# EAGLE board Mk4 Final a Panel score 2x5 (EAGLE 9.0.1), part 15 of 29
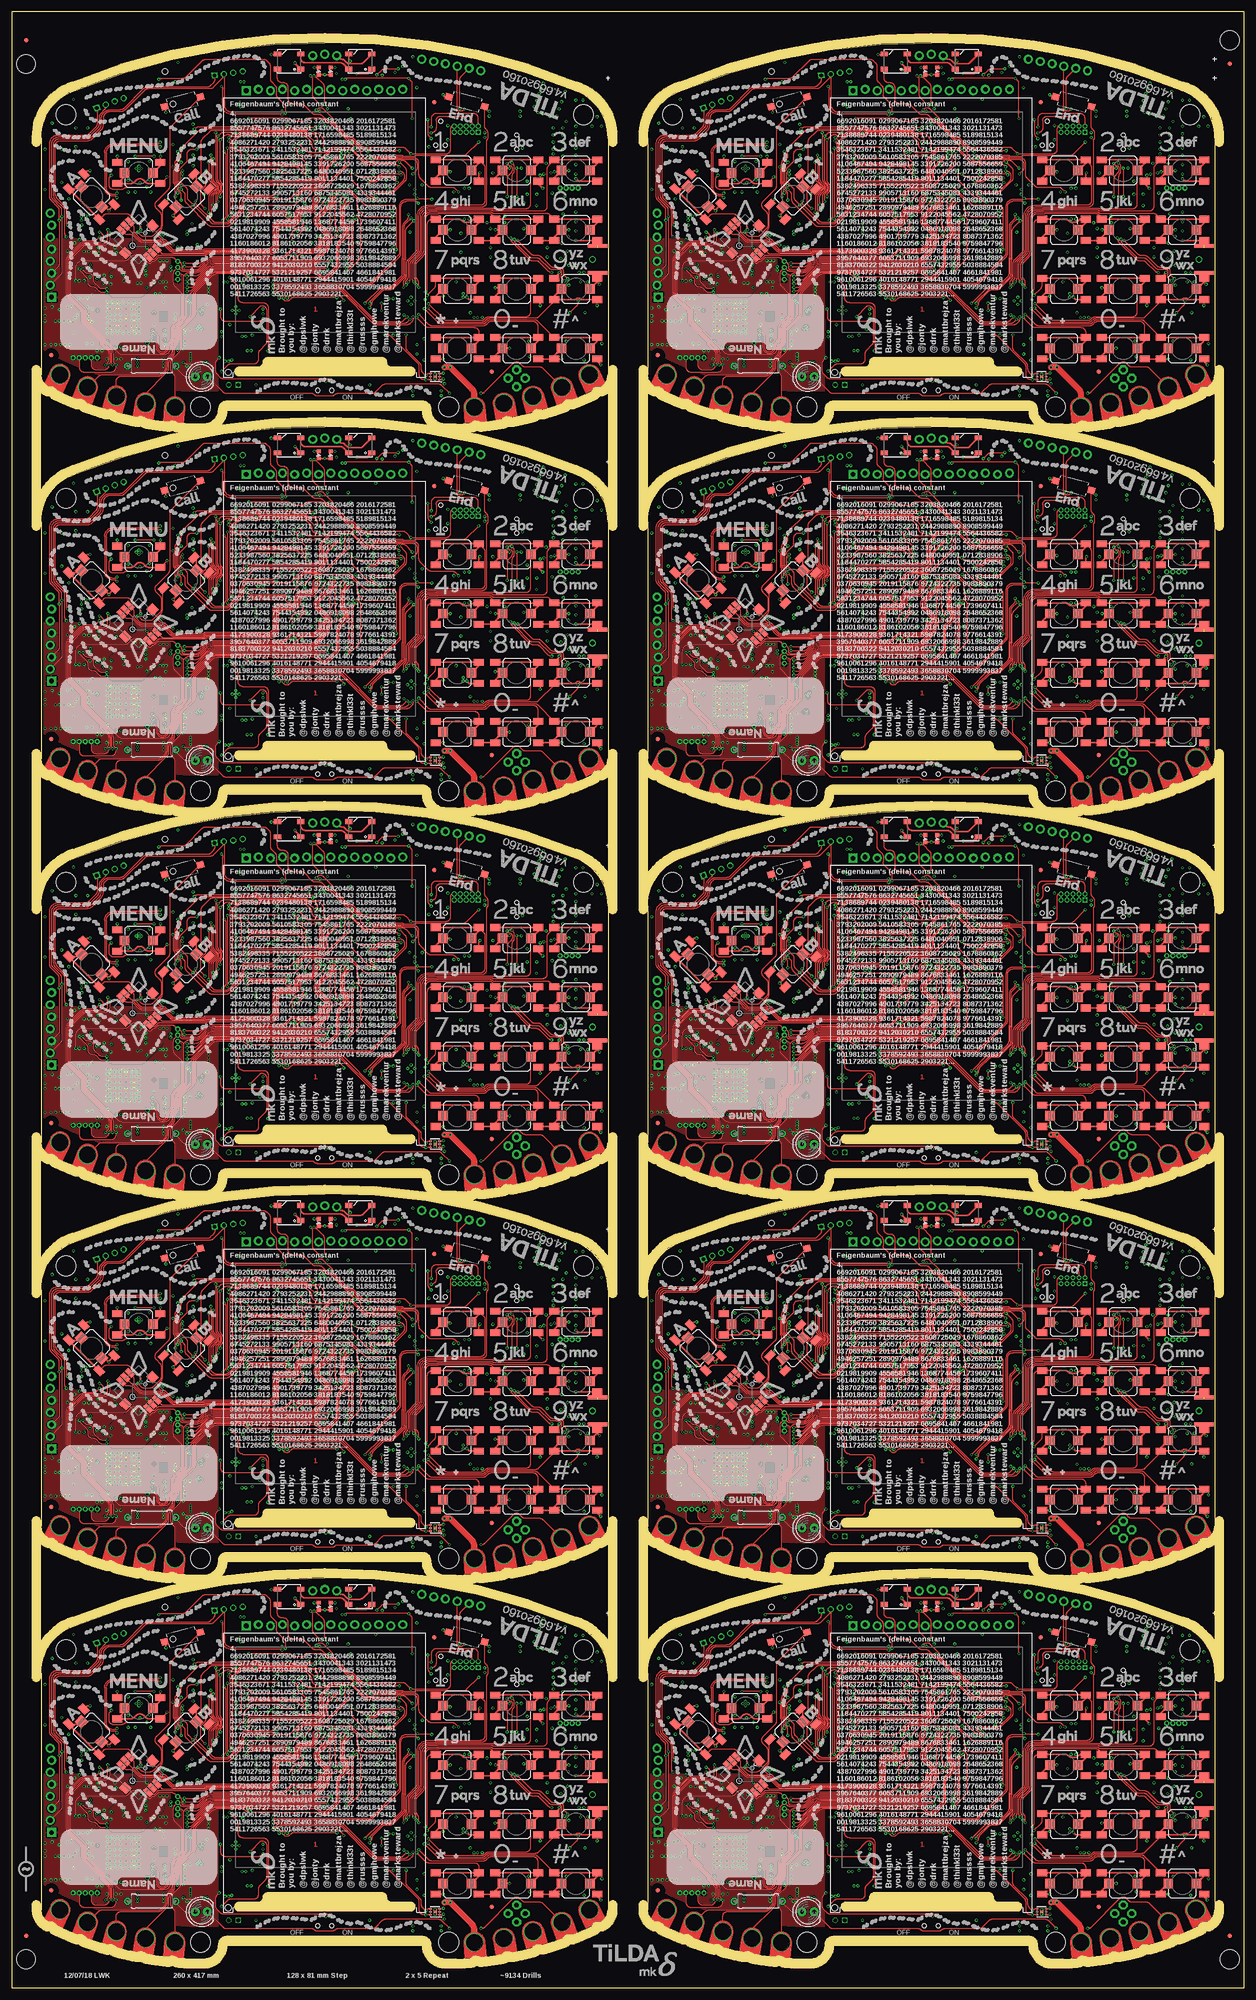
[diagram p0: board, top side]
## Tracks (layer width: path | path; a pad name or v marks a point on that pad's centre or on a via) (continued)
GND5  (via drill 0.3)  (1 unrouted) (continued)
  pour GND@3 (isolate 0.254, rank 6): 134.2,230.5 134.2,177 arc31 166,168 168.7,168 arc90 171.5,170.8 arc-90 173.5,172.8 214.5,172.8 arc-90 216.5,170.8 arc90 219.3,168 222,168 arc31 253.8,177 253.8,200.5 247.5,200.5 247.5,230.5 253.8,230.5 arc64 247.25,238.25 arc24 194,248.5 arc24 140.75,238.25 arc55
  pour Bottom (rank 6): 201.25,204.9 201.25,206.25 201,206.5 191,206.5 190.75,206.25 190.75,204.9
  pour Bottom (isolate 0.254, rank 6): 134.2,230.5 134.2,184 arc9 145,179 145,191 147,191 147,197 145,197 145,199 arc90 144,200 143,200 arc-90 142,201 142,221.71 arc-90 154.79,234.5 162.5,234.5 166,238 224.5,237.5 arc-90 227,235 227,200.5 238.09,200.5 arc-45 238.79,200.21 241.21,197.79 arc45 241.91,197.5 253.8,197.5 253.8,200.5 247.5,200.5 247.5,230.5 253.8,230.5 arc64 247.25,238.25 arc24 194,248.5 arc24 140.75,238.25 arc55
  pour Bottom (rank 2, no thermals): 235.5,201 237,201 237,198.5 236.41,198.5 arc45 235.71,198.21 235.29,197.79 arc45 235,197.09 235,195 arc-90 234,194 223.5,194 arc-90 222.5,195 arc-90 223.5,196 231.75,196 arc90 232.75,197 232.75,197.09 arc-45 233.04,197.79 233.71,198.46 arc-45 234.41,198.75 234.59,198.75 arc45 235.29,199.04 235.5,199.25
  pour Bottom (no thermals): 185.5,207.5 185.5,206.2 185.3,206 185.2,206 185,206.2 185,207.25 184.5,207.75 184.5,209.3 184.7,209.5 185.05,209.5 185.25,209.3 185.25,207.75
  pour Bottom: 157.55,216.95 157.55,222.95 arc90 156.55,223.95 153.05,223.95 arc90 152.05,222.95 152.05,216.95 arc90 153.05,215.95 156.55,215.95 arc90
  pour Bottom (no thermals): 171.4,195 171.4,196.1 171.2,196.3 171.2,197.05 171,197.25 169.75,197.25 169.25,196.75 169.25,195.25 169.5,195
  pour Bottom (no thermals): 165.9,182.8 165.9,180.3 arc-90 165.4,179.8 164.45,179.8 arc-90 163.95,180.3 163.95,187.65 arc-90 164.45,188.15 165.55,188.15 arc-90 166.05,187.65 166.05,184.1 arc90 166.55,183.6 167.8,183.6 167.85,183.55 167.85,182.9 167.75,182.8
  pour Top (rank 6): 134.2,207 134.2,184 arc34 171,175 171.5,175 171.5,207
GND6  (via drill 0.3)  (1 unrouted)
  Top 0.15: IC124.3 90.3,259.65 90.25,259.6 IC124.2 | v89.3,258.5 IC124.PAD v89.3,259.5
  Top 0.2: 90.3,259.65 90.95,259.65 v91.05,259.75
  Top 0.3: S133.1 101.95,275.95 S133.A1 | S129.A1 89.45,275.95 S129.1 v91,276 | S130.A1 89.45,263 89.7,262.75 v91,262.75 S130.1 | S138.1 114.45,263.45 S138.A1 | S137.1 123.55,279.05 S137.A1 | 114.45,300.5 114.45,300.95 S135.1 v117.5,302.5 | 114.45,300.5 S135.A1 | S131.A1 101.95,300.95 S131.1 104,303 v105,303 | S127.A1 89.45,300.95 S127.1 92.25,302.5 v92.5,302.25 | S128.A1 89.45,288.45 S128.1 v92.5,290 | 101.95,288 101.95,288.45 S132.1 v102.05,290 | 101.95,288 S132.A1 | S127.A2 98.55,301.8 v98.75,302 | 114.2,300.25 114.45,300.5 | S136.A2 v119,287.75 | v117.5,290 S136.1 114.45,288.45 S136.A1 S132.A2 | 98.5,275.3 S129.A2 96.5,275.25 v96,275.75 | S133.1 103,278 | S138.A2 123.5,262.75 123.5,262.25 v124.25,261.5 | S134.A2 S138.A1 | v105,265 S134.1 101.95,263.45 S134.A1 S130.A2 | S128.A2 101.7,287.75 101.95,288 | S143.1 91.49,318.01 v91,318.5 | LED39.C v66.03,322.75 LED40.C | LED37.3 55.95,327 v54.75,327 | S135.A2 119.91,300.25 arc-45 119.21,300.54 v119,300.75 | 21.61,295.39 S140.A1 20.5,294.26 v20.5,294 19.62,294.88 S140.1 | S140.A2 15.57,302.21 arc-45 16.28,302.5 v16.5,302.5 | S138.A1 v116,262.75 | S131.A2 111.05,299.7 v112,298.75 | S133.1 103.25,277.75 v102,277.75 | S133.A2 111.5,274.8 v111.5,274 | S141.A2 v22.25,305.5 | S141.1 31.35,303.55 S141.A1 v31.35,305.5 | S142.1 32.5,315.72 v32.5,314.75 | S139.A1 34.81,292.19 v34,293 34.68,293.68 S139.1 | v40.5,297.5 41.61,298.61 S139.A2 | LED38.3 71.05,326.36 arc45 71.34,325.66 v71.4,325.6 | S137.A2 115.5,280.8 v115.5,281 | S137.A1 123.55,278.95 v124,278.5 | S137.A1 123.53,279.76 J69.G@4
  Top 0.4: S136.A2 123.53,287.74 J69.G@3
  GND@3 0.4: v28.45,277.85 25.8,275.2 v25.8,274.85 | v23.5,280.5 22.75,279.75 22.75,275.6 v23.5,274.85 | v21,280.1 21.75,279.35 21.75,275.4 v22.3,274.85
  Bottom 0.15: J61.32 62.75,287.25 | J61.31 63.25,287 | J61.30 63.75,287 | J61.29 64.25,287 | J61.28 64.75,287 | J61.27 65.25,287 | J61.26 65.75,287 | J61.25 66.25,287 | J61.24 66.75,287 | J61.23 67.25,287 | J61.22 67.75,287 | J61.21 68.25,287 | J61.20 68.75,287 | J61.19 69.25,287 | J61.18 69.75,287 | J61.17 70.25,287 | J61.16 70.75,287 | J61.15 71.25,287 | J61.14 71.75,287 | J61.13 72.25,287 | J61.12 72.75,287 | J61.11 73.25,287 | IC110.58 v59.6,305.8 | IC110.55 v59.6,304.6 | IC113.3 81.05,323 v80.85,323.2 | ANT14.3 112.79,320.9 v112.15,320.9 | v111.7,319.75 111.8,319.65 111.94,319.65 111.84,319.75 v111.7,319.75 | ANT14.2 112.05,319.4 v111.7,319.75 | ANT14.4 116.28,319.2 v116.75,319.2 | IC119.PAD v24.1,272.1 | IC119.PAD v22.9,272.1 | IC119.PAD v22.9,270.9 | IC119.PAD v24.1,270.9 | v22.9,273.3 23.5,273.9 v23.5,274.85 | v22.3,274.85 22.3,273.9 v21.7,273.3 21.75,273.35 | v25.3,273.3 25.3,274.35 v25.8,274.85 | v81.5,267.75 C750.2 82,268.5 arc90 82.5,269 82.5,269.5 arc90 82,270 IC122.2 81.46,270 arc45 81.1,269.85 80.9,269.65 arc-45 80.54,269.5 IC122.4 | C752.2 90.45,259.5 | v107.25,315 C701.2 | C704.2 v107.25,314 | C702.2 v100.75,315 | C700.2 v100.75,314 | v24.55,304.4 24.25,304.7 R545.2
  Bottom 0.2: C663.1 68.6,292.85 IC110.10 | IC110.17 65.8,293.01 arc-45 65.65,292.65 C662.1 v65.5,291.75 | IC110.48 57.46,301.8 arc-45 C660.1 | IC110.114 74.74,301.4 arc45 75.44,301.69 C659.1 | IC110.80 65.8,311.05 65.97,311.23 | X28.4 13.88,270.43 13.7,270.6 v12.9,270.6 | X28.2 15.73,266.07 v15.8,266 | IC121.23 81.8,275.75 arc-45 81.66,275.81 81.25,276.22 arc-90 81.25,276.25 | 81.25,276.25 v81.25,276.5 | IC121.24 81.25,276.25 | IC121.18 83,272.25 v82.75,272 | IC121.9 v87.25,275.25 | IC114.17 46.5,270.5 v46,270 IC114.18 | J64.GND4 117,265.05 | 90.45,259.5 arc45 v91.05,259.75 | v31.3,306.5 C754.2 | IC116.4 87.97,306.73 C719.1
  Bottom 0.25: J61.50 53.75,286.45 v54.25,286.95 | J61.49 v54.25,286.95 | J61.48 54.75,286.45 v54.25,286.95 | J61.43 57.25,287 | J61.6 v75.75,284.5 | v68,289.75 68,290.62 C664.1 68.25,291.12 C663.1 | v56,302.1 C660.1 | v76.25,301.75 C659.1 | v66,312 C661.1 65.97,311.23 | C658.1 C666.1 v67,313.45 | v55,306.25 R477.2 | C665.1 65.05,313.25 v65.65,312.65 | v75.5,257.25 S145.1 | v51.5,257.25 S146.1 | C669.1 v62.7,312 | C668.1 v58.1,312 | v71.5,313.45 C667.1 | R539.2 v25.25,264.75 | v27.35,302.95 IC118.PAD v26.8,302.5 | C684.2 38.88,264.23 | v85.45,320 C655.1 | v68.5,323 C653.1
  Bottom 0.3: 77.45,323.3 v78.15,322.6 | v32,276 R538.2 | v14.25,279.25 C727.1 | v16.5,280 16.62,279.88 C732.2 | v96.5,292.25 C710.2 | v95.5,292.25 C707.2 | v96.5,298.75 C706.2 | C708.2 v95.5,298.75 | IC111.8 100.1,291.65 v100.25,291.5 | R512.2 v94.75,289.25 | R504.2 v94.75,283.25 | R511.2 v94.75,285.25 | IC111.13 102.1,297.65 v102.25,297.5 | IC111.21 110.9,297.65 v110.75,297.5 | Q27.2 94.65,279.15 R502.2 v93.75,279 | C719.1 v88,307.5 | v92,309 91.91,309.09 JP55.5 | C712.1 v99.75,310.5 | IC117.7 93.19,298.81 R523.1 v93.25,298 | v101.5,302 C697.1 | v105,303 104.5,302.5 C696.1 | C695.1 v107.5,303 | J64.GND3 111.21,275.06 arc-45 111.5,274.36 v111.5,274 | 123.38,277.5 J64.GND2 123.5,277.59 arc-45 123.79,278.29 v124,278.5 | 124.17,275 J64.C4 123.79,274.74 arc45 123.5,274.04 v123.5,274 | v124.5,266 124.38,266 J64.GND1 | v109.25,263.25 R527.2 110.92,263.25 Q26.2 | C698.1 v120.75,262.5 | J64.C5 116.85,266.65 v117,266.5 117,265.05 | v109,266.5 109.23,266.27 110.25,266.27 J64.GND6 | C652.1 v76.25,296 | C657.1 v79,299.25 | C656.1 v79,300.5 | Q25.4 Q25.EP2 | C678.1 v51.5,291.25 | IC109.28 37.07,291.25 v38,291.25 | C674.1 v34,303.25 | IC109.46 38.2,305.7 v38.25,305.75 | C677.1 v34,308 | IC109.54 37.89,312.1 arc45 v38.25,312.25 | IC109.52 v38.25,310.5 | C676.1 v50.75,312.75 | C672.1 v51.5,310.5 | IC109.6 47.4,308.1 v47.25,308.25 | C673.1 v51.5,305.75 | C675.1 v51.5,301.75 | R487.1 v53,272.25 | R489.2 v53,273.25 | R491.2 48.15,278.5 arc45 v48.75,278.75 | v32,289 C693.1 | v32.75,289 32.75,288.5 C693.1 | v31.25,289 31.25,288.5 C693.1 | IC109.12 47.3,303.3 v47.25,303.25 | R531.2 v15.25,285.45 | R532.2 v16.25,285.45 | R519.2 v85,297.5 | v26.05,297.95 C725.2 | v108.75,297.5 108.7,297.55 IC111.19 108.7,300.2 v108.75,300.25
  Bottom 0.3: R529.2 35.95,264.5 v36.2,264.75 | IC121.25 v83.5,275 | v66.6,315.55 66.67,315.55 X26.4 | X26.2 70.83,315.55 v70.95,315.55 | v82.5,324.5 C670.1 | v84.6,326.5 R481.2 | C654.1 v76.75,317.5 | C711.1 v83.9,299.45 | J66.8 J66.4 | J68.8 J68.4 | IC109.41 36.05,301.7 v36,301.75 | J64.GND5 117.11,277.91 v117.5,278.3 116.94,278.3 arc-45 116.23,278.59 IC115.3 | IC111.33 113.3,283.95 v113,284.25 | v117.45,288.6 C713.1 | v116.7,283.5 D14.2 | v116.7,284.5 C714.1 | v11.75,273.75 C717.1 | v8.5,273.75 C718.1 | 32.55,279.8 C735.2 31.95,279.8 | IC125.2 v90.6,256 | C755.2 v84.6,255 | IC125.3 v90.6,255 | v113,286.25 113.1,286.15 IC111.31
  Bottom 0.35: v32.55,279 32.55,279.8 | v31.95,279 31.95,279.8
  Bottom 0.4: C737.2 28.1,277.5 v28.45,277.85 | v31.25,276.5 C731.2 | v32,274.75 C743.2 | C733.2 28.12,282.62 v28.25,282.5 | C733.2 v27.25,283.75 | v26,283.75 C734.2 C733.2 | C738.2 22.9,279.9 v23.5,280.5 23.4,280.4 | C736.2 v21,280.1 | v19.5,280.4 20.1,279.8 C730.2 | v34.5,271.25 C748.1 | v34.5,272.25 C749.1 | v32.25,267.75 C744.2 | C740.2 v30,270 | C726.1 v21.75,286.25 | C746.1 v16.95,270.5 | C742.2 v16.25,271.25 | C728.2 v16.25,272.25 | C747.1 v16.95,266 | R530.2 v18,264.5 | R533.2 v19,264.5 | R540.2 v20,262.75 | C745.2 v23,262.75 | C739.2 v22,262.75 | v32.5,277.75 C741.2 31.4,278.64 arc45 v31.25,279 | IC120.4 15.12,291.15 arc45 v14.75,291 | v32.25,265.75 R497.2 | v79.5,275.5 C671.1 | v44.25,267.5 44.85,267.5 C691.2 44.85,268.5 v44.25,268.5 | S144.2 65.4,258 v66.25,258 | Q25.EP2 80.4,286.35 v80.5,286.25 | v80.5,290.25 IC112.4 | 42.75,277.75 C692.2 42.38,277.25 v41.5,277.25 | 42.62,278 v41.5,278 | C688.2 41.6,276.4 v41.5,276.5 | v41.25,274.25 41.25,273.32 C689.1 | 7,270.6 v7,270.75 ANT13.4 | ANT13.3 v7,265.75 | ANT13.2 8.25,266.7 v8.25,265.75 | C694.1 v32,262 | C694.1 31.5,262.75 v32,262.75 | C694.1 31.5,261.25 v32,261.25 | J67.4 34.94,320.81 v34.5,321.25 | C651.2 59.88,323.62 v59.75,323.75 | IC126.3 93.26,257.15 arc-45 92.56,257.44 C756.2 91.68,257.68 arc-45 v91.25,257.5 | TP131.TP 37.75,269.1 v37.6,268.95
  Bottom 0.5: v18.35,285.05 18.35,284.5 C729.2 17.35,284.5 v17.35,285.05
  Bottom 1: J62.1 87.05,263.8 C686.2 | C686.2 85.6,263.85 v85.5,263.75 | C686.2 v87,262.5 | v52.35,269 C687.2 50.65,267.85 v50.75,267.75
  other vias: 63.25,287.25 72.75,287.25 56.9,290.15 26.8,303.4 26.25,302.95 116.7,297.1 116.35,293.35 116,317 115.5,315.5 115,314 113.5,314 112,314.5 111,314.75 110.25,316 110.75,317.25 111.25,318.75 21.7,272.1 21.7,270.9 21.7,269.7 22.9,269.7 24.1,269.7 25.3,269.7 25.3,270.9 25.3,272.1 24.1,273.3 17,276.25 17,273.35 13,268.2 12.25,265.75 11.25,265.75 10.25,265.75 9.25,265.75 12,270.75 11,270.75 10,270.75 9.2,270.75 85,275 84.25,275.75 84.25,274.25 95.25,276.5 95.25,275.75 120,279 119,289.75 119,291.65 119,293.75 119,295.75 119,301.75 119,303.75 119,305.75 119,310.25 119,311.85 122.4,311.85 124.4,311.85 47.25,273 48,273 47.25,273.75 47.25,272.25 46.5,273 29.3,297.95 24.55,297.95 24.55,300.45 29.05,300.55 29.05,304.45 37.7,263.85 37.7,263.35 37.7,262.35 37.7,262.85 36.9,261.25 37.6,261.25 36.6,268.95 36.5,267.95 36.5,265.75 36.5,266.55 20.75,272.1 20.75,270.9 20.75,269.7 20.75,273.3 26.25,272.1 26.25,270.9 26.25,269.7 26.25,273.3 21.7,268.75 22.9,268.75 24.1,268.75 25.3,268.75 21.7,274.25 22.9,274.25 24.1,274.25 25.3,274.25 26.25,268.75 26.25,274.25 20.75,274.25 20.75,268.75 24.7,274.85 21.2,274.85 20.15,274.85 20.15,273.8 23.5,268.15 24.7,268.15 25.9,268.15 22.3,268.15 21.2,268.15 26.85,271.45 26.85,270.25 26.85,269.05 26.85,272.65 20.15,271.5 20.15,270.3 20.15,269.2 20.15,272.7 26.85,273.75 26.85,274.85 26.85,268.15 20.15,268.15 120.7,281 119.7,281 121.5,279 116,287.2 10.5,307 10.5,300 13.5,307.5 13.5,311.5 16,311.5 13,317.5 8.5,312.5 7,307 7,298.5 12,296.5 13.25,287.25 7,273.5 104,284.25 101,284.25 101,286.25 101,290.25 108,290.25 110.7,295.1 108,295.75 114,297.75 117.5,282.5 117.25,285.5 119,307.25 119,308.75 117,312.85 119,317.35 123.5,313.85 120.5,317.35 115.85,283.95 119,282.5 12.6,273.95 13.35,271.45 13.85,271.95 16,273.7 15,275.7 16,275.7 14.1,275.6 116.25,311.5 114.25,311.5 116.25,310 114.25,310 116.25,308.5 114.25,308.5 116.25,307 114.25,307 116.25,305.5 114.25,306 112.75,304 112.25,301.75 111.5,301.5 113.75,302 114.5,302.25 116,304 11.75,285.5 10,273.15 7,271.85 104,295.25 104,291.5 104,292.9
  pour GND@3 (isolate 0.254, rank 6): 6.2,311.5 6.2,258 arc31 38,249 40.7,249 arc90 43.5,251.8 arc-90 45.5,253.8 86.5,253.8 arc-90 88.5,251.8 arc90 91.3,249 94,249 arc31 125.8,258 125.8,281.5 119.5,281.5 119.5,311.5 125.8,311.5 arc64 119.25,319.25 arc24 66,329.5 arc24 12.75,319.25 arc55
  pour Bottom (rank 6): 73.25,285.9 73.25,287.25 73,287.5 63,287.5 62.75,287.25 62.75,285.9
  pour Bottom (isolate 0.254, rank 6): 6.2,311.5 6.2,265 arc9 17,260 17,272 19,272 19,278 17,278 17,280 arc90 16,281 15,281 arc-90 14,282 14,302.71 arc-90 26.79,315.5 34.5,315.5 38,319 96.5,318.5 arc-90 99,316 99,281.5 110.09,281.5 arc-45 110.79,281.21 113.21,278.79 arc45 113.91,278.5 125.8,278.5 125.8,281.5 119.5,281.5 119.5,311.5 125.8,311.5 arc64 119.25,319.25 arc24 66,329.5 arc24 12.75,319.25 arc55
  pour Bottom (rank 2, no thermals): 107.5,282 109,282 109,279.5 108.41,279.5 arc45 107.71,279.21 107.29,278.79 arc45 107,278.09 107,276 arc-90 106,275 95.5,275 arc-90 94.5,276 arc-90 95.5,277 103.75,277 arc90 104.75,278 104.75,278.09 arc-45 105.04,278.79 105.71,279.46 arc-45 106.41,279.75 106.59,279.75 arc45 107.29,280.04 107.5,280.25
  pour Bottom (no thermals): 57.5,288.5 57.5,287.2 57.3,287 57.2,287 57,287.2 57,288.25 56.5,288.75 56.5,290.3 56.7,290.5 57.05,290.5 57.25,290.3 57.25,288.75
  pour Bottom: 29.55,297.95 29.55,303.95 arc90 28.55,304.95 25.05,304.95 arc90 24.05,303.95 24.05,297.95 arc90 25.05,296.95 28.55,296.95 arc90
  pour Bottom (no thermals): 43.4,276 43.4,277.1 43.2,277.3 43.2,278.05 43,278.25 41.75,278.25 41.25,277.75 41.25,276.25 41.5,276
  pour Bottom (no thermals): 37.9,263.8 37.9,261.3 arc-90 37.4,260.8 36.45,260.8 arc-90 35.95,261.3 35.95,268.65 arc-90 36.45,269.15 37.55,269.15 arc-90 38.05,268.65 38.05,265.1 arc90 38.55,264.6 39.8,264.6 39.85,264.55 39.85,263.9 39.75,263.8
  pour Top (rank 6): 6.2,288 6.2,265 arc34 43,256 43.5,256 43.5,288
GND7  (via drill 0.3)  (1 unrouted)
  Top 0.15: IC142.3 218.3,259.65 218.25,259.6 IC142.2 | v217.3,258.5 IC142.PAD v217.3,259.5
  Top 0.2: 218.3,259.65 218.95,259.65 v219.05,259.75
  Top 0.3: S154.1 229.95,275.95 S154.A1 | S150.A1 217.45,275.95 S150.1 v219,276 | S151.A1 217.45,263 217.7,262.75 v219,262.75 S151.1 | S159.1 242.45,263.45 S159.A1 | S158.1 251.55,279.05 S158.A1 | 242.45,300.5 242.45,300.95 S156.1 v245.5,302.5 | 242.45,300.5 S156.A1 | S152.A1 229.95,300.95 S152.1 232,303 v233,303 | S148.A1 217.45,300.95 S148.1 220.25,302.5 v220.5,302.25 | S149.A1 217.45,288.45 S149.1 v220.5,290 | 229.95,288 229.95,288.45 S153.1 v230.05,290 | 229.95,288 S153.A1 | S148.A2 226.55,301.8 v226.75,302 | 242.2,300.25 242.45,300.5 | S157.A2 v247,287.75 | v245.5,290 S157.1 242.45,288.45 S157.A1 S153.A2 | 226.5,275.3 S150.A2 224.5,275.25 v224,275.75 | S154.1 231,278 | S159.A2 251.5,262.75 251.5,262.25 v252.25,261.5 | S155.A2 S159.A1 | v233,265 S155.1 229.95,263.45 S155.A1 S151.A2 | S149.A2 229.7,287.75 229.95,288 | S164.1 219.49,318.01 v219,318.5 | LED45.C v194.03,322.75 LED46.C | LED43.3 183.95,327 v182.75,327 | S156.A2 247.91,300.25 arc-45 247.21,300.54 v247,300.75 | 149.61,295.39 S161.A1 148.5,294.26 v148.5,294 147.62,294.88 S161.1 | S161.A2 143.57,302.21 arc-45 144.28,302.5 v144.5,302.5 | S159.A1 v244,262.75 | S152.A2 239.05,299.7 v240,298.75 | S154.1 231.25,277.75 v230,277.75 | S154.A2 239.5,274.8 v239.5,274 | S162.A2 v150.25,305.5 | S162.1 159.35,303.55 S162.A1 v159.35,305.5 | S163.1 160.5,315.72 v160.5,314.75 | S160.A1 162.81,292.19 v162,293 162.68,293.68 S160.1 | v168.5,297.5 169.61,298.61 S160.A2 | LED44.3 199.05,326.36 arc45 199.34,325.66 v199.4,325.6 | S158.A2 243.5,280.8 v243.5,281 | S158.A1 251.55,278.95 v252,278.5 | S158.A1 251.53,279.76 J79.G@4
  Top 0.4: S157.A2 251.53,287.74 J79.G@3
  GND@3 0.4: v156.45,277.85 153.8,275.2 v153.8,274.85 | v151.5,280.5 150.75,279.75 150.75,275.6 v151.5,274.85 | v149,280.1 149.75,279.35 149.75,275.4 v150.3,274.85
  Bottom 0.15: J71.32 190.75,287.25 | J71.31 191.25,287 | J71.30 191.75,287 | J71.29 192.25,287 | J71.28 192.75,287 | J71.27 193.25,287 | J71.26 193.75,287 | J71.25 194.25,287 | J71.24 194.75,287 | J71.23 195.25,287 | J71.22 195.75,287 | J71.21 196.25,287 | J71.20 196.75,287 | J71.19 197.25,287 | J71.18 197.75,287 | J71.17 198.25,287 | J71.16 198.75,287 | J71.15 199.25,287 | J71.14 199.75,287 | J71.13 200.25,287 | J71.12 200.75,287 | J71.11 201.25,287 | IC128.58 v187.6,305.8 | IC128.55 v187.6,304.6 | IC131.3 209.05,323 v208.85,323.2 | ANT16.3 240.79,320.9 v240.15,320.9 | v239.7,319.75 239.8,319.65 239.94,319.65 239.84,319.75 v239.7,319.75 | ANT16.2 240.05,319.4 v239.7,319.75 | ANT16.4 244.28,319.2 v244.75,319.2 | IC137.PAD v152.1,272.1 | IC137.PAD v150.9,272.1 | IC137.PAD v150.9,270.9 | IC137.PAD v152.1,270.9 | v150.9,273.3 151.5,273.9 v151.5,274.85 | v150.3,274.85 150.3,273.9 v149.7,273.3 149.75,273.35 | v153.3,273.3 153.3,274.35 v153.8,274.85 | v209.5,267.75 C858.2 210,268.5 arc90 210.5,269 210.5,269.5 arc90 210,270 IC140.2 209.46,270 arc45 209.1,269.85 208.9,269.65 arc-45 208.54,269.5 IC140.4 | C860.2 218.45,259.5 | v235.25,315 C809.2 | C812.2 v235.25,314 | C810.2 v228.75,315 | C808.2 v228.75,314 | v152.55,304.4 152.25,304.7 R623.2
  Bottom 0.2: C771.1 196.6,292.85 IC128.10 | IC128.17 193.8,293.01 arc-45 193.65,292.65 C770.1 v193.5,291.75 | IC128.48 185.46,301.8 arc-45 C768.1 | IC128.114 202.74,301.4 arc45 203.44,301.69 C767.1 | IC128.80 193.8,311.05 193.97,311.23 | X32.4 141.88,270.43 141.7,270.6 v140.9,270.6 | X32.2 143.72,266.07 v143.8,266 | IC139.23 209.8,275.75 arc-45 209.66,275.81 209.25,276.22 arc-90 209.25,276.25 | 209.25,276.25 v209.25,276.5 | IC139.24 209.25,276.25 | IC139.18 211,272.25 v210.75,272 | IC139.9 v215.25,275.25 | IC132.17 174.5,270.5 v174,270 IC132.18 | J74.GND4 245,265.05 | 218.45,259.5 arc45 v219.05,259.75 | v159.3,306.5 C862.2 | IC134.4 215.97,306.73 C827.1
  Bottom 0.25: J71.50 181.75,286.45 v182.25,286.95 | J71.49 v182.25,286.95 | J71.48 182.75,286.45 v182.25,286.95 | J71.43 185.25,287 | J71.6 v203.75,284.5 | v196,289.75 196,290.62 C772.1 196.25,291.12 C771.1 | v184,302.1 C768.1 | v204.25,301.75 C767.1 | v194,312 C769.1 193.97,311.23 | C766.1 C774.1 v195,313.45 | v183,306.25 R555.2 | C773.1 193.05,313.25 v193.65,312.65 | v203.5,257.25 S166.1 | v179.5,257.25 S167.1 | C777.1 v190.7,312 | C776.1 v186.1,312 | v199.5,313.45 C775.1 | R617.2 v153.25,264.75 | v155.35,302.95 IC136.PAD v154.8,302.5 | C792.2 166.88,264.23 | v213.45,320 C763.1 | v196.5,323 C761.1
  Bottom 0.3: 205.45,323.3 v206.15,322.6 | v160,276 R616.2 | v142.25,279.25 C835.1 | v144.5,280 144.62,279.88 C840.2 | v224.5,292.25 C818.2 | v223.5,292.25 C815.2 | v224.5,298.75 C814.2 | C816.2 v223.5,298.75 | IC129.8 228.1,291.65 v228.25,291.5 | R590.2 v222.75,289.25 | R582.2 v222.75,283.25 | R589.2 v222.75,285.25 | IC129.13 230.1,297.65 v230.25,297.5 | IC129.21 238.9,297.65 v238.75,297.5 | Q31.2 222.65,279.15 R580.2 v221.75,279 | C827.1 v216,307.5 | v220,309 219.91,309.09 JP64.5 | C820.1 v227.75,310.5 | IC135.7 221.19,298.81 R601.1 v221.25,298 | v229.5,302 C805.1 | v233,303 232.5,302.5 C804.1 | C803.1 v235.5,303 | J74.GND3 239.21,275.06 arc-45 239.5,274.36 v239.5,274 | 251.38,277.5 J74.GND2 251.5,277.59 arc-45 251.79,278.29 v252,278.5 | 252.17,275 J74.C4 251.79,274.74 arc45 251.5,274.04 v251.5,274 | v252.5,266 252.38,266 J74.GND1 | v237.25,263.25 R605.2 238.93,263.25 Q30.2 | C806.1 v248.75,262.5 | J74.C5 244.85,266.65 v245,266.5 245,265.05 | v237,266.5 237.23,266.27 238.25,266.27 J74.GND6 | C760.1 v204.25,296 | C765.1 v207,299.25 | C764.1 v207,300.5 | Q29.4 Q29.EP2 | C786.1 v179.5,291.25 | IC127.28 165.07,291.25 v166,291.25 | C782.1 v162,303.25 | IC127.46 166.2,305.7 v166.25,305.75 | C785.1 v162,308 | IC127.54 165.89,312.1 arc45 v166.25,312.25 | IC127.52 v166.25,310.5 | C784.1 v178.75,312.75 | C780.1 v179.5,310.5 | IC127.6 175.4,308.1 v175.25,308.25 | C781.1 v179.5,305.75 | C783.1 v179.5,301.75 | R565.1 v181,272.25 | R567.2 v181,273.25 | R569.2 176.15,278.5 arc45 v176.75,278.75 | v160,289 C801.1 | v160.75,289 160.75,288.5 C801.1 | v159.25,289 159.25,288.5 C801.1 | IC127.12 175.3,303.3 v175.25,303.25 | R609.2 v143.25,285.45 | R610.2 v144.25,285.45
  Bottom 0.3: R597.2 v213,297.5 | v154.05,297.95 C833.2 | v236.75,297.5 236.7,297.55 IC129.19 236.7,300.2 v236.75,300.25 | R607.2 163.95,264.5 v164.2,264.75 | IC139.25 v211.5,275 | v194.6,315.55 194.68,315.55 X30.4 | X30.2 198.82,315.55 v198.95,315.55 | v210.5,324.5 C778.1 | v212.6,326.5 R559.2 | C762.1 v204.75,317.5 | C819.1 v211.9,299.45 | J76.8 J76.4 | J78.8 J78.4 | IC127.41 164.05,301.7 v164,301.75 | J74.GND5 245.11,277.91 v245.5,278.3 244.94,278.3 arc-45 244.23,278.59 IC133.3 | IC129.33 241.3,283.95 v241,284.25 | v245.45,288.6 C821.1 | v244.7,283.5 D16.2 | v244.7,284.5 C822.1 | v139.75,273.75 C825.1 | v136.5,273.75 C826.1 | 160.55,279.8 C843.2 159.95,279.8 | IC143.2 v218.6,256 | C863.2 v212.6,255 | IC143.3 v218.6,255 | v241,286.25 241.1,286.15 IC129.31
  Bottom 0.35: v160.55,279 160.55,279.8 | v159.95,279 159.95,279.8
  Bottom 0.4: C845.2 156.1,277.5 v156.45,277.85 | v159.25,276.5 C839.2 | v160,274.75 C851.2 | C841.2 156.12,282.62 v156.25,282.5 | C841.2 v155.25,283.75 | v154,283.75 C842.2 C841.2 | C846.2 150.9,279.9 v151.5,280.5 151.4,280.4 | C844.2 v149,280.1 | v147.5,280.4 148.1,279.8 C838.2 | v162.5,271.25 C856.1 | v162.5,272.25 C857.1 | v160.25,267.75 C852.2 | C848.2 v158,270 | C834.1 v149.75,286.25 | C854.1 v144.95,270.5 | C850.2 v144.25,271.25 | C836.2 v144.25,272.25 | C855.1 v144.95,266 | R608.2 v146,264.5 | R611.2 v147,264.5 | R618.2 v148,262.75 | C853.2 v151,262.75 | C847.2 v150,262.75 | v160.5,277.75 C849.2 159.4,278.64 arc45 v159.25,279 | IC138.4 143.12,291.15 arc45 v142.75,291 | v160.25,265.75 R575.2 | v207.5,275.5 C779.1 | v172.25,267.5 172.85,267.5 C799.2 172.85,268.5 v172.25,268.5 | S165.2 193.4,258 v194.25,258 | Q29.EP2 208.4,286.35 v208.5,286.25 | v208.5,290.25 IC130.4 | 170.75,277.75 C800.2 170.38,277.25 v169.5,277.25 | 170.62,278 v169.5,278 | C796.2 169.6,276.4 v169.5,276.5 | v169.25,274.25 169.25,273.32 C797.1 | 135,270.6 v135,270.75 ANT15.4 | ANT15.3 v135,265.75 | ANT15.2 136.25,266.7 v136.25,265.75 | C802.1 v160,262 | C802.1 159.5,262.75 v160,262.75 | C802.1 159.5,261.25 v160,261.25 | J77.4 162.94,320.81 v162.5,321.25 | C759.2 187.88,323.62 v187.75,323.75 | IC144.3 221.26,257.15 arc-45 220.56,257.44 C864.2 219.68,257.68 arc-45 v219.25,257.5 | TP150.TP 165.75,269.1 v165.6,268.95
  Bottom 0.5: v146.35,285.05 146.35,284.5 C837.2 145.35,284.5 v145.35,285.05
  Bottom 1: J72.1 215.05,263.8 C794.2 | C794.2 213.6,263.85 v213.5,263.75 | C794.2 v215,262.5 | v180.35,269 C795.2 178.65,267.85 v178.75,267.75
  other vias: 191.25,287.25 200.75,287.25 184.9,290.15 154.8,303.4 154.25,302.95 244.7,297.1 244.35,293.35 244,317 243.5,315.5 243,314 241.5,314 240,314.5 239,314.75 238.25,316 238.75,317.25 239.25,318.75 149.7,272.1 149.7,270.9 149.7,269.7 150.9,269.7 152.1,269.7 153.3,269.7 153.3,270.9 153.3,272.1 152.1,273.3 145,276.25 145,273.35 141,268.2 140.25,265.75 139.25,265.75 138.25,265.75 137.25,265.75 140,270.75 139,270.75 138,270.75 137.2,270.75 213,275 212.25,275.75 212.25,274.25 223.25,276.5 223.25,275.75 248,279 247,289.75 247,291.65 247,293.75 247,295.75 247,301.75 247,303.75 247,305.75 247,310.25 247,311.85 250.4,311.85 252.4,311.85 175.25,273 176,273 175.25,273.75 175.25,272.25 174.5,273 157.3,297.95 152.55,297.95 152.55,300.45 157.05,300.55 157.05,304.45 165.7,263.85 165.7,263.35 165.7,262.35 165.7,262.85 164.9,261.25 165.6,261.25 164.6,268.95 164.5,267.95 164.5,265.75 164.5,266.55 148.75,272.1 148.75,270.9 148.75,269.7 148.75,273.3 154.25,272.1 154.25,270.9 154.25,269.7 154.25,273.3 149.7,268.75 150.9,268.75 152.1,268.75 153.3,268.75 149.7,274.25 150.9,274.25 152.1,274.25 153.3,274.25 154.25,268.75 154.25,274.25 148.75,274.25 148.75,268.75 152.7,274.85 149.2,274.85 148.15,274.85 148.15,273.8 151.5,268.15 152.7,268.15 153.9,268.15 150.3,268.15 149.2,268.15 154.85,271.45 154.85,270.25 154.85,269.05 154.85,272.65 148.15,271.5 148.15,270.3 148.15,269.2 148.15,272.7 154.85,273.75 154.85,274.85 154.85,268.15 148.15,268.15 248.7,281 247.7,281 249.5,279 244,287.2 138.5,307 138.5,300 141.5,307.5 141.5,311.5 144,311.5 141,317.5 136.5,312.5 135,307 135,298.5 140,296.5 141.25,287.25 135,273.5 232,284.25 229,284.25 229,286.25 229,290.25 236,290.25 238.7,295.1 236,295.75 242,297.75 245.5,282.5 245.25,285.5 247,307.25 247,308.75 245,312.85 247,317.35 251.5,313.85 248.5,317.35 243.85,283.95 247,282.5 140.6,273.95 141.35,271.45 141.85,271.95 144,273.7 143,275.7 144,275.7 142.1,275.6 244.25,311.5 242.25,311.5 244.25,310 242.25,310 244.25,308.5 242.25,308.5 244.25,307 242.25,307 244.25,305.5 242.25,306 240.75,304 240.25,301.75 239.5,301.5 241.75,302 242.5,302.25 244,304 139.75,285.5 138,273.15 135,271.85 232,295.25 232,291.5 232,292.9